# Altium PCB GameBoard_V1I1_Phase1.PcbDoc (part 6 of 18)
Units mm, origin at the board's own origin, x right, y up, seen from the top; angles counter-clockwise.
Board outline 182 x 70.2 mm, 12 copper layers (L1, L2, L3, L4, L5 (PWR), L6 (PWR), L7 (PWR), L8 (PWR), L9, L10, L11, L12), stack 2.079 mm thick; 1542 components, 1068 nets, 5447 pads, 3805 vias.
Unrouted connection lines stored in the file: 2.
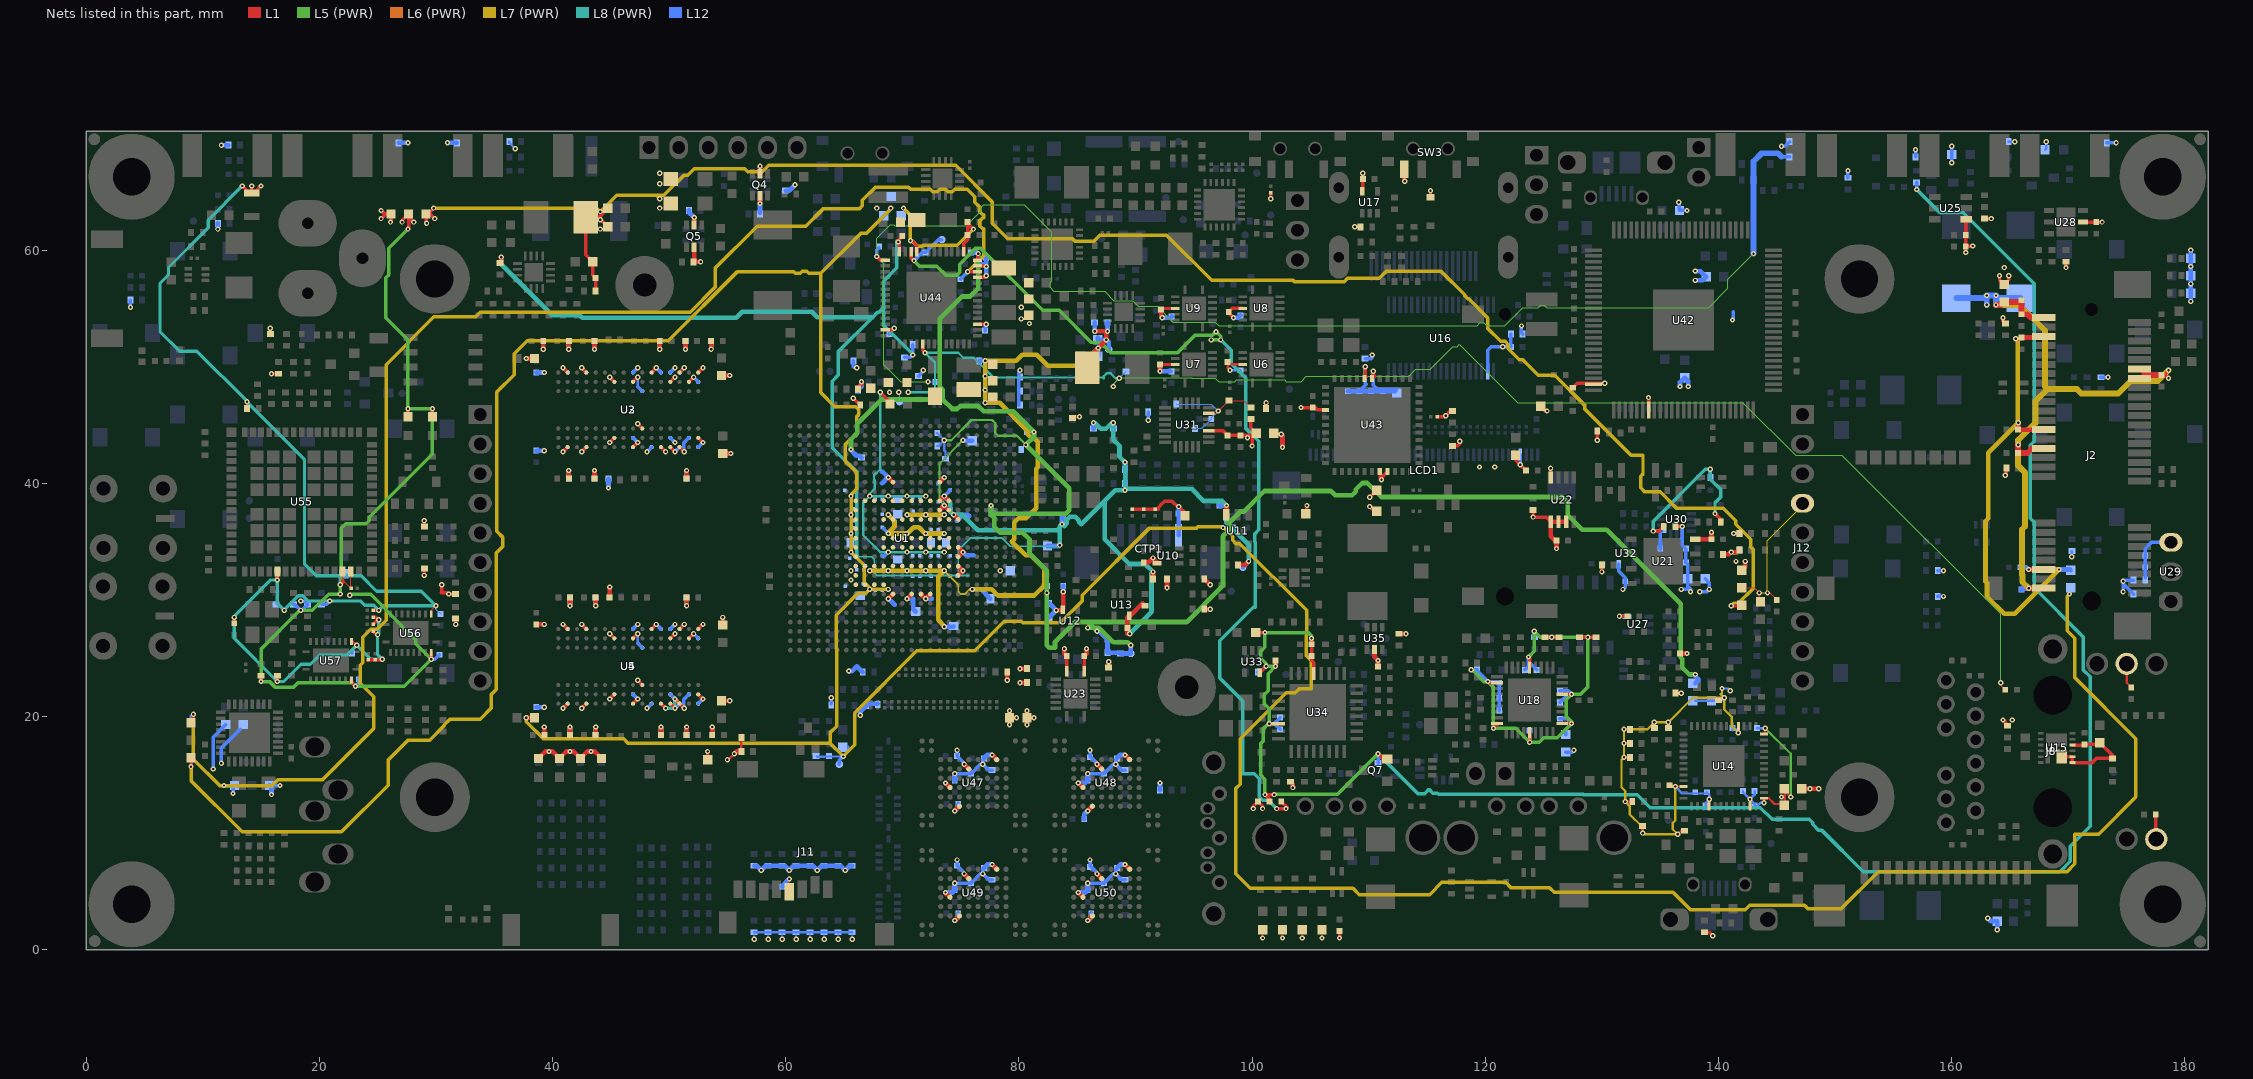
[diagram p16: the nets of this part, all layers, seen from the top]

## Via types
v1: diameter 0.45, hole 0.2, L1 to L12, 1937 vias
v2: diameter 0.45, hole 0.2, L1 to L12, tented both sides, 1004 vias
v3: diameter 0.27, hole 0.1, L1 to L2, 337 vias
v4: diameter 0.27, hole 0.1, L2 to L3, 335 vias
v5: diameter 0.27, hole 0.1, L10 to L11, 96 vias
v6: diameter 0.27, hole 0.1, L11 to L12, 94 vias
v7: diameter 0.27, hole 0.1, L3 to L5 (PWR), 2 vias

## Nets (pads, with @x,y where several pads share a name; then routed paths per layer and width w, separated by ;. In a path a pad name is that pad's centre, name@x,y a point inside that pad or via, vN(x,y) a via of type N, cw(c..) or ccw(c..) an arc to the next point about the centre after c; other vN are vias at no path point) (continued)
+1V2_REG: C191.1 C192.1 R117.1 U15.7 U15.8 U15.10 U15.15 | length 9.2
  L1 w0.3: U15.15@169.45,16.57 169.47,16.55 U15.8@170.36,16.55 U15.7@170.36,16.05 172.05,16.05 172.4,16.4 R117.1@173.8,16.4 173.8,16.65 C191.1@172.7,17.75 172.55,17.6 C192.1@171.4,17.6 171.35,17.55 U15.10@170.36,17.55
+1V2_VDD_ARM_CAP: C110.1 C111.1 C112.1 C113.1 C114.1 C120.1 C121.1 C122.1 C123.1 C124.1 U1.H11 U1.H13 U1.J11 U1.J13 U1.K11 U1.K13 U1.L11 U1.L13 U1.M11 U1.M13 U1.N11 U1.N13 U1.P11 U1.P13 U1.R11 U1.R13 | length 11.8
  L7 (PWR) w0.4: v2(68.8,37.3) 69.325,36.775 69.325,36.283 68.8,35.758 v2(68.8,35.7) v2(70.4,35.7) 70.458,35.7 70.983,36.225 71.417,36.225 71.942,35.7 v2(72,35.7) v2(73.6,35.7) ; v2(70.4,37.3) v2(72,37.3) v2(73.6,37.3)
  L12 w0.3: C112.1@68.4,36.135 68.4,36.1 v2(68.8,35.7) ; v2(70.4,35.7) 70.9,36.2 C113.1@70.935,36.2
+1V5_DDR: C10.1 C11.1 C12.1 C13.1 C14.1 C15.1 C16.1 C17.1 C19.1 C20.1 C21.1 C22.1 C23.1 C24.1 C25.1 C26.1 C27.1 C28.1 C29.1 C30.1 C31.1 C32.1 C33.1 C34.1 C35.1 C36.1 C37.1 C38.1 C39.1 C40.1 C41.1 C42.1 C43.1 C44.1 C45.1 C46.1 C47.1 C48.1 C49.1 C50.1 C51.1 C52.1 C53.1 C54.1 C55.1 C56.1 C57.1 C58.1 C171.1 C172.1 C173.1 C174.1 C175.1 C176.1 C180.1 C181.1 C182.1 C183.1 C184.1 C185.1 C186.1 C425.1 C426.1 C443.1 C444.1 C445.1 C446.1 FB9.2 FB17.1 L12.2 R8.2 R90.2 TP33.1 U1.R18 U1.T18 U1.U18 U1.V9 U1.V10 U1.V11 U1.V12 U1.V13 U1.V14 U1.V15 U1.V16 U1.V17 U1.V18 U2.A1 U2.A8 U2.B2 U2.C1 U2.C9 U2.D2 U2.D9 U2.E9 U2.F1 U2.G7 U2.H2 U2.H9 U2.K2 U2.K8 U2.N1 U2.N9 U2.R1 U2.R9 U3.A1 U3.A8 U3.B2 U3.C1 U3.C9 U3.D2 U3.D9 U3.E9 U3.F1 U3.G7 U3.H2 U3.H9 U3.K2 U3.K8 U3.N1 U3.N9 U3.R1 U3.R9 U4.A1 U4.A8 U4.B2 U4.C1 U4.C9 U4.D2 U4.D9 U4.E9 U4.F1 U4.G7 U4.H2 U4.H9 U4.K2 U4.K8 U4.N1 U4.N9 U4.R1 U4.R9 U5.A1 U5.A8 U5.B2 U5.C1 U5.C9 U5.D2 U5.D9 U5.E9 U5.F1 U5.G7 U5.H2 U5.H9 U5.K2 U5.K8 U5.N1 U5.N9 U5.R1 U5.R9 U44.30 U44.38 | length 463.6
  L1 w0.3: v1(9,15.7) FB17.1@9,16.4 ; v2(40.9,20.7) U4.R9@41.3,21.1 ; v2(40.9,27.9) U4.R1@41.3,27.5 ; v2(40.9,42.7) U2.R9@41.3,43.1 ; v2(40.9,49.9) U2.R1@41.3,49.5 ; v2(42.5,20.7) U4.N9@42.9,21.1 ; v2(42.5,27.9) U4.N1@42.9,27.5 ; v2(42.5,42.7) U2.N9@42.9,43.1 ; v2(42.5,49.9) U2.N1@42.9,49.5 ; v2(44.9,21.5) U4.K8@45.3,21.9 ; v2(44.9,27.1) U4.K2@45.3,26.7 ; v2(44.9,43.5) U2.K8@45.3,43.9 ; v2(44.9,49.1) U2.K2@45.3,48.7 ; U4.H9@46.9,21.1 v2(47.3,21.5) ; U4.H2@46.9,26.7 v2(47.3,27.1) ; U2.H9@46.9,43.1 v2(47.3,43.5) ; U2.H2@46.9,48.7 v2(47.3,49.1) ; v2(47.3,23.1) U4.G7@47.7,22.7 ; v2(47.3,45.1) U2.G7@47.7,44.7 ; U4.F1@48.5,27.5 v2(48.9,27.9) ; U2.F1@48.5,49.5 v2(48.9,49.9) ; U4.E9@49.3,21.1 v2(49.7,20.7) ; U2.E9@49.3,43.1 v2(49.7,42.7) ; U4.D9@50.1,21.1 v2(50.5,20.7) ; U4.D2@50.1,26.7 v2(50.5,27.1) ; U2.D9@50.1,43.1 v2(50.5,42.7) ; U2.D2@50.1,48.7 v2(50.5,49.1) ; U4.C9@50.9,21.1 v2(51.3,20.7) ; U4.C1@50.9,27.5 v2(51.3,27.9) ; U2.C9@50.9,43.1 v2(51.3,42.7) ; U2.C1@50.9,49.5 v2(51.3,49.9) ; U4.B2@51.7,26.7 v2(52.1,27.1) ; U2.B2@51.7,48.7 v2(52.1,49.1) ; U4.A8@52.5,21.9 v2(52.9,21.5) ; U4.A1@52.5,27.5 v2(52.9,27.9) ; U2.A8@52.5,43.9 v2(52.9,43.5) ; U2.A1@52.5,49.5 v2(52.9,49.9) ; v2(70.7,60.8) 70.828,60.8 71.25,60.378 U44.38@71.25,59.85 ; U44.30@75.25,59.85 75.25,60.55 75.6,60.9 C425.1@75.6,62.4 75.6,62.3 v1(76.1,61.8)
  L1 w0.4: v2(37.75,19.9) C15.1@38.45,19.9 ; v2(37.75,50.7) C12.1@38.45,50.7 ; C39.1@38.6,27.9 v2(39.3,27.9) ; v2(39.2,51.5) C32.1@39.2,52.2 ; C22.1@39.3,18.4 v2(39.3,19.1) ; C30.1@41.4,40.4 v2(41.4,41.1) ; v2(41.4,51.5) C33.1@41.4,52.2 ; C27.1@41.5,18.4 v2(41.5,19.1) ; v2(41.5,29.5) C26.1@41.5,30.2 ; C31.1@43.6,40.4 v2(43.6,41.1) ; v2(43.6,51.5) C34.1@43.6,52.2 ; C28.1@43.7,18.4 v2(43.7,19.1) ; v2(43.7,29.5) C19.1@43.7,30.2 ; C20.1@44.9,30.2 v2(44.9,31.1) ; v2(49.2,51.5) C38.1@49.2,52.2 ; C25.1@49.3,18.4 v2(49.3,19.1) ; v2(51.4,51.5) C37.1@51.4,52.2 ; C24.1@51.5,18.4 v2(51.5,19.1) ; v2(51.5,29.5) C21.1@51.5,30.2 ; C29.1@51.5,40.4 v2(51.5,41.1) ; v2(53.6,51.5) C36.1@53.6,52.2 ; C23.1@53.7,18.4 v2(53.7,19.1) ; C16.1@54.5,21.35 v2(55.2,21.35) ; C13.1@54.5,49.25 v2(55.2,49.25) ; C17.1@54.6,27.85 v2(54.6,28.5) ; C14.1@54.6,42.55 v2(55.3,42.55)
  L6 (PWR) w0.3: v2(50.5,21.5) v2(51.3,20.7)
  L7 (PWR) w0.3: v1(9,15.7) 9,14.5 13.4,10.1 21.9,10.1 25.9,14.1 25.9,16.272 27.603,17.975 29.475,17.975 30.725,19.225 30.725,19.297 31.203,19.775 33.8,19.775 34.762,20.737 34.762,21.905 35.175,22.317 35.175,34.022 35.75,34.597 35.75,35.347 35.225,35.872 35.225,47.825 36.725,49.325 36.725,51.125 37.825,52.225 49.925,52.225 55.825,58.125 60.697,58.125 60.822,58 61.228,58 61.403,58.175 61.797,58.175 61.972,58 63,58 63,47.79 64.215,46.575 65.997,46.575 66.275,46.297 66.275,45.903 66.075,45.703 66.075,44.303 65.125,43.353 65.125,41.903 66.075,40.953 66.075,39.503 65.6,39.028 v2(65.6,38.9) v2(65.6,37.3) v2(65.6,35.7) v2(65.6,34.1) 66.725,32.975 66.725,31.503 67.2,31.028 v2(67.2,30.9) ; v2(37.75,19.9) 37.75,19.55 39.225,18.075 46.097,18.075 46.472,17.7 63.8,17.7 ; 63.013,58.013 66.425,61.425 66.897,61.425 69,63.528 v1(69,63.6) ; v2(68.8,30.9) v2(67.2,30.9) ; v1(70.1,63.6) 70.7,63 v2(70.7,60.8) 70.828,60.8 71.303,60.325 71.697,60.325 71.772,60.4 74.7,60.4 v1(76.1,61.8) ; v1(170.1,30.5) 169.9,30.3 169.9,27.352 170.557,26.695 170.557,23.343 175.8,18.1 175.8,13.1 172.6,9.9 170.557,9.9 170.557,7.357 169.892,6.692 153.7,6.692 150.508,3.5 147.672,3.5 147.372,3.8 142.672,3.8 142.297,3.425 137.595,3.425 136.095,4.925 125.903,4.925 125.503,5.325 122.203,5.325 121.753,5.775 116.275,5.775 115.225,4.725 109.203,4.725 108.653,5.275 99.825,5.275 98.6,6.5 98.6,13.828 98.975,14.203 98.975,18.075 102.925,22.025 103.697,22.025 104.072,22.4 105.075,22.4 105.075,24.797 104.625,25.247 104.625,26.897 104.675,26.947 104.675,29.097 98.947,34.825 98.603,34.825 98.325,35.103 98.325,35.447 97.572,36.2 v1(97.5,36.2) 97.425,36.275 95.347,36.275 95.197,36.125 91.153,36.125 85.425,30.397 85.425,29.903 83.547,28.025 80.347,28.025 80.197,28.175 78.747,28.175 76.197,25.625 71.253,25.625 65.925,20.297 65.925,17.575 v2(64.925,16.575) 63.8,17.7 ; 63.8,17.7 63.8,18.6 64.375,19.175 64.375,25.853 64.325,25.903 64.325,28.697 66.203,30.575 66.875,30.575 v2(67.2,30.9)
  L8 (PWR) w0.3: v2(49.7,20.7) v2(50.5,20.7) v2(50.5,21.5)
  L12 w0.2: 47.3,26.3 v2(47.3,27.1) ; v2(47.3,49.1) 47.3,48.3 47.325,48.275 ; R8.2@62.675,16.575 62.7,16.55 63.3,16.55 63.325,16.575 v2(64.925,16.575) 65.375,17.025 65.375,17.425
  L12 w0.3: v2(40.9,20.7) U5.R1@41.3,21.1 ; v2(40.9,27.9) U5.R9@41.3,27.5 ; v2(40.9,42.7) U3.R1@41.3,43.1 ; v2(40.9,49.9) U3.R9@41.3,49.5 ; v2(42.5,20.7) U5.N1@42.9,21.1 ; v2(42.5,27.9) U5.N9@42.9,27.5 ; v2(42.5,42.7) U3.N1@42.9,43.1 ; v2(42.5,49.9) U3.N9@42.9,49.5 ; v2(44.9,21.5) U5.K2@45.3,21.9 ; v2(44.9,27.1) U5.K8@45.3,26.7 ; v2@44.9,43.5 U3.K2@45.3,43.9 ; v2(44.9,49.1) U3.K8@45.3,48.7 ; U5.H2@46.9,21.9 v2(47.3,21.5) ; U5.H9@46.9,27.5 v2(47.3,27.9) ; U3.H2@46.9,43.9 v2(47.3,43.5) ; U3.H9@46.9,49.5 v2(47.3,49.9) ; 47.3,26.3 U5.G7@47.7,25.9 ; 47.325,48.275 U3.G7@47.7,47.9 ; v2(48.1,20.7) U5.F1@48.5,21.1 ; v2(48.1,42.7) U3.F1@48.5,43.1 ; v2(48.9,27.9) U5.E9@49.3,27.5 ; v2(48.9,49.9) U3.E9@49.3,49.5 ; U5.D2@50.1,21.9 v2(50.5,21.5) ; U5.D9@50.1,27.5 v2(50.5,27.9) ; U3.D2@50.1,43.9 v2(50.5,43.5) ; U3.D9@50.1,49.5 v2(50.5,49.9) ; v2(50.5,20.7) U5.C1@50.9,21.1 ; v2(50.5,42.7) U3.C1@50.9,43.1 ; U5.C9@50.9,27.5 v2(51.3,27.9) ; U3.C9@50.9,49.5 v2(51.3,49.9) ; v2@51.275,20.725 51.275,21.475 U5.B2@51.7,21.9 ; v2@51.275,42.725 51.275,43.475 U3.B2@51.7,43.9 ; v2(52.1,27.1) U5.A8@52.5,26.7 ; v2(52.1,49.1) U3.A8@52.5,48.7 ; U5.A1@52.5,21.1 v2(52.9,21.5) ; U3.A1@52.5,43.1 v2(52.9,43.5) ; TP33.1@64.6,15.9 64.6,16.25 v2(64.925,16.575) ; v1(97.5,36.2) R90.2@98.2,36.2
  L12 w0.4: C40.1@38.6,20.8 v2(39.3,20.8) ; C49.1@38.6,42.8 v2(39.3,42.8) ; C35.1@38.6,49.5 v2(39.3,49.5) ; C58.1@41.4,40.4 v2(41.4,41.1) ; v2(41.4,51.5) C50.1@41.4,52.2 ; C48.1@41.5,18.4 v2(41.5,19.1) ; v2(41.5,29.5) C41.1@41.5,30.2 ; C57.1@43.6,40.4 v2(43.6,41.1) ; v2(43.6,51.5) C51.1@43.6,52.2 ; C47.1@43.7,18.4 v2(43.7,19.1) ; v2(43.7,29.5) C42.1@43.7,30.2 ; v2@44.8,39.7 C55.1@44.8,40.4 ; v2(49.2,51.5) C52.1@49.2,52.2 ; C46.1@49.3,18.4 v2(49.3,19.1) ; v2(51.4,51.5) C53.1@51.4,52.2 ; C45.1@51.5,18.4 v2(51.5,19.1) ; v2(51.5,29.5) C43.1@51.5,30.2 ; C56.1@51.5,40.4 v2(51.5,41.1) ; v2(53.6,51.5) C54.1@53.6,52.2 ; C44.1@53.7,18.4 v2(53.7,19.1)
  other v1: 67.8,63.6
  other v2: 65.6,31.7 65.6,32.5 44.8,39.6
+1V5_MPCIE: C226.1 C227.1 C228.1 C229.1 FB9.1 J2.6 J2.28 J2.48 | length 43.4
  L1 w0.4: v1(165.5,52.4) 165.9,52.4 C228.1@166,52.5 167.8,52.5 J2.48@167.9,52.6 ; v1(165.7,45.2) C227.1@165.7,44.6 J2.28@167.9,44.6 ; v1(166.6,32.6) J2.6@167.9,32.6
  L7 (PWR) w0.4: v1(165.5,52.4) 165.675,52.225 165.675,45.225 v1(165.7,45.2) 163.125,42.625 163.125,36.983 162.9,36.758 162.9,31.567 163.025,31.442 163.025,30.275 164.5,28.8 165.4,28.8 v1(169.2,32.6) v1(166.6,32.6)
  L12 w0.4: C226.1@165.9,32.8 166.4,32.8 v1(166.6,32.6) ; C229.1@168.6,32.6 170.15,32.6 FB9.1@170.2,32.55
+1V8_AUDIO: C421.1 FB16.2 FB18.2 TP28.1 U44.26 | length 126.8
  L1 w0.3: FB18.2@9.025,19.45 FB18.2@9,19.45 8.9,19.55 9.2,19.85 v1(9.2,20.2) ; v2(75.6,58.15) U44.26@76.45,58.15
  L7 (PWR) w0.3: v1(9.2,20.2) 9.2,16.328 11.449,14.079 v1(11.823,14.079) 15.951,14.079 16.426,14.554 20.254,14.554 24.675,18.975 24.675,21.697 23.525,22.847 23.525,24.397 23.725,24.597 23.725,26.797 24.403,27.475 24.947,27.475 25.725,28.253 25.725,50.175 29.825,54.275 33.403,54.275 33.803,54.675 51.809,54.675 53.975,56.841 53.975,58.475 57.55,62.05 61.722,62.05 63.197,63.525 66.297,63.525 66.575,63.803 66.575,64.275 67.7,65.4 70.528,65.4 70.703,65.225 72.403,65.225 72.603,65.025 72.997,65.025 73.197,65.225 73.703,65.225 73.903,65.025 74.297,65.025 74.497,65.225 75.575,65.225 76.225,64.575 76.225,64.103 76.628,63.7 76.625,63.697 76.625,63.303 76.903,63.025 76.975,63.025 76.975,62.775 76.903,62.775 76.625,62.497 76.625,62.103 76.903,61.825 76.975,61.825 76.975,59.503 76.697,59.225 76.675,59.225 v2(75.6,58.15)
  L12 w0.3: TP28.1@9,19.5 9,20 v1(9.2,20.2) ; v1(11.823,14.079) FB16.2@12.723,14.079 12.6,13.956 v1(12.6,13.4) ; C421.1@75,57.5 75,57.55 v2(75.6,58.15)
+1V8_WIFI: C527.2 C530.1 C532.1 FB52.2 R43.2 R507.2 R524.2 R539.2 R541.2 R542.2 R543.2 R545.2 R555.2 R556.2 R558.2 U55.38 U56.2 U57.2 | length 111.3
  L1 w0.1: R524.2@13.8,46.4 v1(13.8,47) ; U56.2@29.6,28.8 29.6,29.1 v1(30,29.5)
  L1 w0.2: U57.2@22.75,26.45 22.85,26.45 v1(23.2,26.1)
  L1 w0.28: FB52.2@12.7,28 v1(12.7,28.5) ; v1(13.4,65.5) 14,64.9 R507.2@14.2,64.9 ; v1(14.2,65.5) R507.2@14.2,64.9 ; v1(15,65.5) 14.4,64.9 R507.2@14.2,64.9 ; v1(16.4,23) R558.2@16.4,23.5 ; v1(16.4,31.7) U55.38@16.4,32.09 ; U55.38@16.4,32.425 U55.38@16.525,32.3 ; R43.2@24.2,24.87 R539.2@24.8,24.87 25.37,24.87 v1(25.4,24.9) ; R541.2@24.63,27.3 24.93,27 v1(25,27) ; R542.2@24.63,27.9 25.03,28.3 24.83,28.5 R543.2@24.63,28.5 ; R545.2@24.63,29.1 v1(25.1,29.1)
  L8 (PWR) w0.28: v1(13.4,65.5) 10.465,62.565 10.465,61.907 7.065,58.507 7.065,57.895 6.335,57.165 6.335,53.007 8.024,51.318 9.507,51.318 13.8,47.025 v1(13.8,47) 13.8,46.942 18.735,42.007 18.735,33.057 19.727,32.065 23.583,32.065 24.905,30.742 28.758,30.742 v1(30,29.5) 25.5,29.5 v1(25.1,29.1) 24.665,29.535 23.907,29.535 23.542,29.9 v1(20.9,29.9) 19.058,29.9 18.593,30.365 18.207,30.365 17,29.158 v1(17,29.1) 16.4,29.7 v1(16.4,31.7) 15.8,31.7 12.7,28.6 v1(12.7,28.5) 12.7,26.7 v1(16.4,23) 16.942,23 18.427,24.485 19.243,24.485 20.023,25.265 22.365,25.265 v1(23.2,26.1) 24.4,24.9 v1(25.4,24.9) 25,25.3 v1(25,27) 25.1,27.1 v1(25.1,28.3)
  L12 w0.1: v1(30,29.5) 30,29.2 C530.1@30.4,28.8
  L12 w0.28: v1(16.4,31.7) C527.2@16.4,32.5 ; R555.2@16.5,29.6 v1(17,29.1) ; R556.2@20.2,29.6 20.6,29.6 v1(20.9,29.9) ; C532.1@22.8,25.4 22.8,25.7 v1(23.2,26.1)
+1V375_CORE: C103.1 C104.1 C105.1 C106.1 C107.1 C108.1 C109.1 C115.1 C116.1 C117.1 C118.1 C119.1 C439.1 C440.1 C441.1 C442.1 FB2.1 L11.2 R299.2 TP32.1 U1.H14 U1.J14 U1.K9 U1.K14 U1.L9 U1.L14 U1.M9 U1.M14 U1.N9 U1.N14 U1.P9 U1.P14 U1.R9 U1.R14 U1.T9 U1.U9 U44.6 | length 148.8
  L1 w0.1: v1(164.2,22.9) 164.2,22.7 FB2.1@164.6,22.3
  L1 w0.3: v2(68.1,47.8) 68.95,46.95 C442.1@68.95,46.8 ; U44.6@71.75,51.95 71.75,51.4 v2(71.95,51.2)
  L5 (PWR) w0.1: v1(88.1,48.3) 88.1,48.5 v1(88.6,49) 88.65,49.05 94.82,49.05 94.845,49.025 96.845,49.025 97.145,48.725 98.529,48.725 98.679,48.875 102.795,48.875 102.945,48.725 104.195,48.725 104.645,49.175 113.445,49.175 114.045,49.775 115.275,49.775 117.205,51.705 117.575,51.705 117.785,51.915 122.775,46.925 142.092,46.925 146.607,42.41 150.59,42.41 152.075,40.925 ; 152.075,40.925 164.2,28.8 v1(164.2,22.9)
  L8 (PWR) w0.1: v1(88.1,48.3) 88.1,48.5 v1(88.6,49)
  L8 (PWR) w0.2: v2(68.1,47.8) 68.1,46.999 68.1,41.201 67.575,40.676 67.575,40.301 67.625,40.251 67.625,39.524 67.2,39.099 v2(67.2,38.9) ; v2(70.5,47.8) 72.425,47.8 72.8,48.175 72.8,50.35 v2(71.95,51.2) 74.799,51.2 75.224,50.775 76.125,50.775 77.825,49.075 87.2,49.075 87.275,49 87.275,49.176 87.524,49.425 87.876,49.425 88.301,49 v1(88.6,49) ; v2(72,38.9) v2(70.4,38.9) v2(68.8,38.9) v2(67.2,38.9) ; v2(73.6,34.1) v2(72,34.1) v2(70.4,34.1) v2(68.8,34.1) 68.1,34.1 66.65,35.55 66.65,38.35 v2(67.2,38.9)
  L12 w0.1: v2(69.7,47.8) 69.766,47.734 TP32.1@69.766,47 ; v1(88.6,49) R299.2@89.2,49.6
  L12 w0.3: C103.1@68.3,33.765 68.465,33.765 v2(68.8,34.1)
  other v2: 68.9,47.8
+1V375_SOC: C132.1 C133.1 C134.1 C135.1 C136.1 C137.1 C138.1 C139.1 C140.1 C141.1 C142.1 C339.1 C340.1 C341.2 C447.1 C448.1 C449.1 L6.2 L13.1 R296.2 R431.1 TP34.1 U1.H16 U1.J16 U1.K16 U1.L16 U1.M16 U1.N16 U1.P16 U1.R16 U1.T16 U1.U16 | length 70
  L1 w0.4: L6.2@85.262,49.9 85.262,50.063 v2(86.8,51.6) v2(87.5,52.3) 87.5,52.95 v2(87.6,53.05) v2(86.5,53.05)
  L7 (PWR) w0.15: v2(73.6,32.5) 74.8,31.3 74.8,30.734 75.034,30.5 75.366,30.5 75.766,30.9 v2(76,30.9)
  L7 (PWR) w0.4: v2(67.2,32.5) v2(68.8,32.5) v2(70.4,32.5) v2(72,32.5) v2(73.6,32.5) 73.075,31.975 73.075,28.283 73.6,27.758 v2(73.6,27.7) ; v2(76,30.9) 77.658,30.9 78.183,30.375 81.317,30.375 82.125,31.183 82.125,31.338 82.171,31.384 82.171,32.671 81.017,33.825 80.575,33.825 79.4,35 79.6,35.2 79.6,36.642 79.983,37.025 80.625,37.025 81.475,37.875 81.475,41.233 81.625,41.383 81.625,43.55 81.3,43.875 81.083,43.875 80.775,44.183 80.775,44.467 78.342,46.9 v2(77.1,46.9) v2(77.1,48) v2(77.1,50.5) 79.758,50.5 80.283,51.025 81.517,51.025 82.467,50.075 85.275,50.075 v2(86.8,51.6)
  L12 w0.4: v2(73.6,27.7) 74.35,27.7 C141.1@74.4,27.75 ; v2(76,30.9) 76.75,30.9 C142.1@77.55,30.1 ; R431.1@76.6,50.5 v2(77.1,50.5) ; v2(86.5,53.05) R296.2@86.5,53.8 ; C339.1@86.75,50.9 86.8,50.95 v2(86.8,51.6) ; C340.1@86.75,52.3 v2(87.5,52.3) 87.7,52.1 TP34.1@87.7,51.5 ; v2(87.6,53.05) C341.2@87.6,53.8
  other v2: 77.1,49.175
+2V5: C63.1 C75.1 C92.1 C169.1 C422.1 FB6.1 R13.1 R27.1 R32.1 R40.1 R114.2 R115.2 R116.2 TP29.1 U44.28 | length 169.1
  L1 w0.3: U44.28@76.45,59.15 76.45,59.65 v2(76.5,59.7)
  L5 (PWR) w0.2: v1(73.6,43.7) 74.201,43.7 75.926,45.425 77.699,45.425 77.975,45.149 77.975,44.324 78.224,44.075 79.825,44.075 v1(80.6,43.3)
  L5 (PWR) w0.4: v1(65.6,42.9) 65.6,43.758 66.125,44.283 66.125,45.125 68.184,47.184 73.474,47.184 ; v2(76.5,59.7) 76.5,56.708 75.817,56.025 75.125,56.025 73.225,54.125 73.225,48.284 73.474,48.035 73.474,47.184 ; v2(77.6,38.1) 77.6,37.3 ; v1(85.9,27.6) 86.4,27.6 ; v1(89.6,26.1) 89.325,26.375 88.083,26.375 86.858,27.6 86.4,27.6 ; v1(138,23.6) 137.5,23.6 136.9,24.2 136.9,24.933 136.775,25.058 136.775,29.667 130.417,36.025 128.333,36.025 127.075,37.283 127.075,38.367 126.617,38.825 111.067,38.825 109.867,40.025 109.433,40.025 108.875,39.467 108.875,39.283 108.567,38.975 107.114,38.975 106.745,39.345 101.062,39.345 99.292,37.575 98.975,37.575 98.025,36.625 98.025,35.983 97.499,35.457 97.499,31.199 94.4,28.1 85.9,28.1 ; 73.474,47.184 74.283,46.375 74.717,46.375 74.967,46.625 76.517,46.625 76.967,46.175 79.525,46.175 v1(81.3,44.4) 81.3,44 v1(80.6,43.3) 84.325,39.575 84.325,37.683 84.017,37.375 77.675,37.375 77.6,37.3 ; 77.6,37.3 77.875,37.025 77.875,36.283 78.386,35.771 80.329,35.771 80.909,35.191 80.909,34.009 82.4,32.517 v1(82.4,30.6) 82.4,26.1 82.6,25.9 83.1,25.9 83.1,26.4 84.8,28.1 85.9,28.1 ; 85.9,28.1 86.4,27.6
  L12 w0.2: R27.1@73,43.2 73.1,43.2 v1(73.6,43.7) ; C75.1@73,44.3 v1(73.6,43.7) ; R114.2@73.7,42.1 73.7,42.714 73.6,42.814 v1(73.6,43.7) ; C63.1@80.7,44.4 v1(81.3,44.4) ; v1(82.4,30.6) C92.1@82.4,31.2
  L12 w0.4: v1(65.6,42.9) 65.6,42.842 66.067,42.375 66.325,42.375 R32.1@66.5,42.2 ; C422.1@76,59.8 76.4,59.8 v2(76.5,59.7) ; R40.1@77.6,37.4 v2(77.6,38.1) ; v1(85.9,27.6) 86.4,27.6 v1(86.7,27.3) 86.9,27.3 C169.1@87.6,26.6 R115.2@87.6,25.475 88.625,25.475 R116.2@88.7,25.4 TP29.1@89.6,25.4 v1(89.6,26.1) ; FB6.1@138,22.85 138.3,23.15 138,23.45 v1(138,23.6)
+2V5_ETH_DVDDH: C208.1 C209.1 C210.1 C211.1 C212.1 FB6.2 R128.2 R129.2 R130.2 R131.2 R132.2 R133.2 R134.2 R135.2 R136.2 R137.2 U14.16 U14.34 U14.40 | length 48.2
  L1 w0.2: v1(131.9,16.5) R132.2@132.4,16.5 ; v1(131.9,17.7) R137.2@132.4,17.7 ; v1(131.9,18.9) R136.2@132.4,18.9 ; v1(132,12.7) R128.2@132.6,12.7 ; v1(133.5,10) R129.2@133.5,10.6 ; R135.2@134.5,19 v1(134.5,19.5) ; R134.2@135.7,19 v1(135.7,19.5) ; C209.1@135.8,14.3 136.11,13.99 v1(136.3,13.99) U14.34@137.01,13.99 ; v1(136.5,9.9) 136.8,10.2 R130.2@137.1,10.2 ; U14.40@139.2,12.3 v1(139.2,12.9) ; v1(141.7,18.6) U14.16@141.7,19.18
  L7 (PWR) w0.2: v1(136.3,13.99) 136.3,11.101 136.075,10.876 136.075,10.325 v1(136.5,9.9) 133.6,9.9 v1(133.5,10) 133.5,10.499 132.375,11.624 132.375,12.325 v1(132,12.7) 132,13.599 131.675,13.924 131.675,16.275 v1(131.9,16.5) v1(131.9,17.7) v1(131.9,18.9) 133.9,18.9 v1(134.5,19.5) v1(135.7,19.5) 137.8,21.6 v1(140.5,21.6) ; v1(140.3,22.4) 140.3,22 140.2,21.9 v1(140.5,21.6) ; v1(141.7,18.6) 141.125,19.175 141.125,19.976 140.5,20.601 v1(140.5,21.6)
  L12 w0.2: v1(136.3,13.99) 136.89,13.4 C212.1@139,13.4 ; FB6.2@138,21.35 139.5,21.35 140.25,21.35 v1(140.5,21.6) 140.2,21.9 140.3,22 v1(140.3,22.4) 140.8,22.4 v1(141,22.2) ; R131.2@138.9,12.3 138.9,12.6 v1(139.2,12.9) 139.2,13.3 C212.1@139,13.5 ; C210.1@141.2,18.8 141.2,19.2 141.7,18.7 v1(141.7,18.6)
+2V5_VDDHIGH_VPH: C152.1 C153.1 C154.1 U1.H10 U1.J10 | length 9.9
  L1 w0.4: U1.J10@73.2,37.7 v2(73.6,38.1) U1.H10@74,37.7
  L5 (PWR) w0.15: v2(73.6,38.1) 73.6,38.334 73.2,38.734 73.2,41.7 v2(75.2,43.7)
  L12 w0.15: C153.1@73.065,38.4 73.3,38.4 v2(73.6,38.1) 73.9,37.8 C152.1@74.135,37.8
  L12 w0.4: v2(75.2,43.7) 75.25,43.65 C154.1@76,43.65
+3V0_ALWAYS: C99.1 C102.1 C149.1 C150.1 C155.1 C427.1 R66.2 R68.2 R69.2 R80.2 R81.2 R82.2 R89.2 R91.2 R97.2 R313.1 R436.2 R437.2 TP31.1 U1.G11 U1.H9 U1.J9 U11.6 U13.5 U44.41 | length 172.6
  L1 w0.3: U44.41@69.75,59.85 69.75,60.6 v2(69.65,60.7) 69.55,60.8 69.6,60.8 C427.1@70,61.2
  L1 w0.4: R313.1@35.5,58.9 35.6,59 v1(35.6,59.4) ; U1.J9@73.2,38.5 v2(73.6,38.9) U1.H9@74,38.5 ; v2(74.4,37.3) U1.G11@74.8,36.9 ; v1(89.5,27.1) 89.3,27.1 C102.1@89.3,27.6 89.3,28.5 U13.5@89.45,28.65 89.55,28.65 R89.2@90.6,29.7 ; R97.2@91.5,31.8 v1(91.5,32.4) ; U11.6@97.8,37.3 v1(97.8,38.1) ; R91.2@98.8,33 99.4,33 v1(99.7,33.3)
  L8 (PWR) w0.15: 66.075,33.725 66.1,33.7 67.366,33.7 67.6,33.466 67.6,32.334 67.834,32.1 68.966,32.1 75.675,32.1 75.034,32.1 74.8,32.334 74.8,34.266 75.834,35.3 78.566,35.3 79.266,34.6 83.4,34.6 v1(83.5,34.7)
  L8 (PWR) w0.3: 66.075,33.725 66.075,41.025 65.475,41.625 65.403,41.625 63.983,43.045 63.983,48.755 64.525,49.297 64.525,51.325 67.45,54.25 67.875,54.675 67.997,54.675 68.4,55.078 ; v2@69.55,60.8 69.525,60.775 69.525,58.475 68.4,57.35 68.4,55.078 ; v1(70.9,51) 70.9,51.076 69.151,52.825 69.103,52.825 68.4,53.528 68.4,55.078
  L8 (PWR) w0.4: v1(35.6,59.4) 35.6,58.8 39.975,54.425 42.317,54.425 42.542,54.2 55.758,54.2 56.283,54.725 62.217,54.725 62.692,54.25 67.45,54.25 ; v2(73.6,38.9) 73.6,38.842 74.125,38.317 74.125,37.575 v2(74.4,37.3) 75.142,37.3 76.467,35.975 83.275,35.975 83.5,36.2 ; v1(83.5,34.7) 83.5,36.2 ; v2(83.7,36.5) 83.5,36.3 83.5,36.2 ; 83.879,36.321 84.075,36.517 84.075,36.817 84.383,37.125 84.817,37.125 85.125,36.817 85.125,36.717 85.342,36.5 85.358,36.5 87.375,38.517 ; v1(86.4,45.2) 86.508,45.2 87.033,44.675 87.467,44.675 87.992,45.2 v1(88.1,45.2) 88.1,43.742 88.625,43.217 88.625,42.275 v1(89.1,41.8) 89.125,41.775 v1@89.125,39.425 ; v1(89.5,27.1) 91.375,28.975 91.375,32.275 v1(91.5,32.4) 90.825,33.075 89.483,33.075 87.375,35.183 87.375,38.517 ; v1(99.7,33.3) 99.7,34.742 97.8,36.642 v1(97.8,38.1) 97.425,38.475 95.867,38.475 94.817,39.525 89.225,39.525 v1@89.125,39.425 ; 87.375,38.517 88.258,39.4 v1(89.1,39.4) v1@89.125,39.425